# KiCad board latentpink.kicad_pcb (continued)
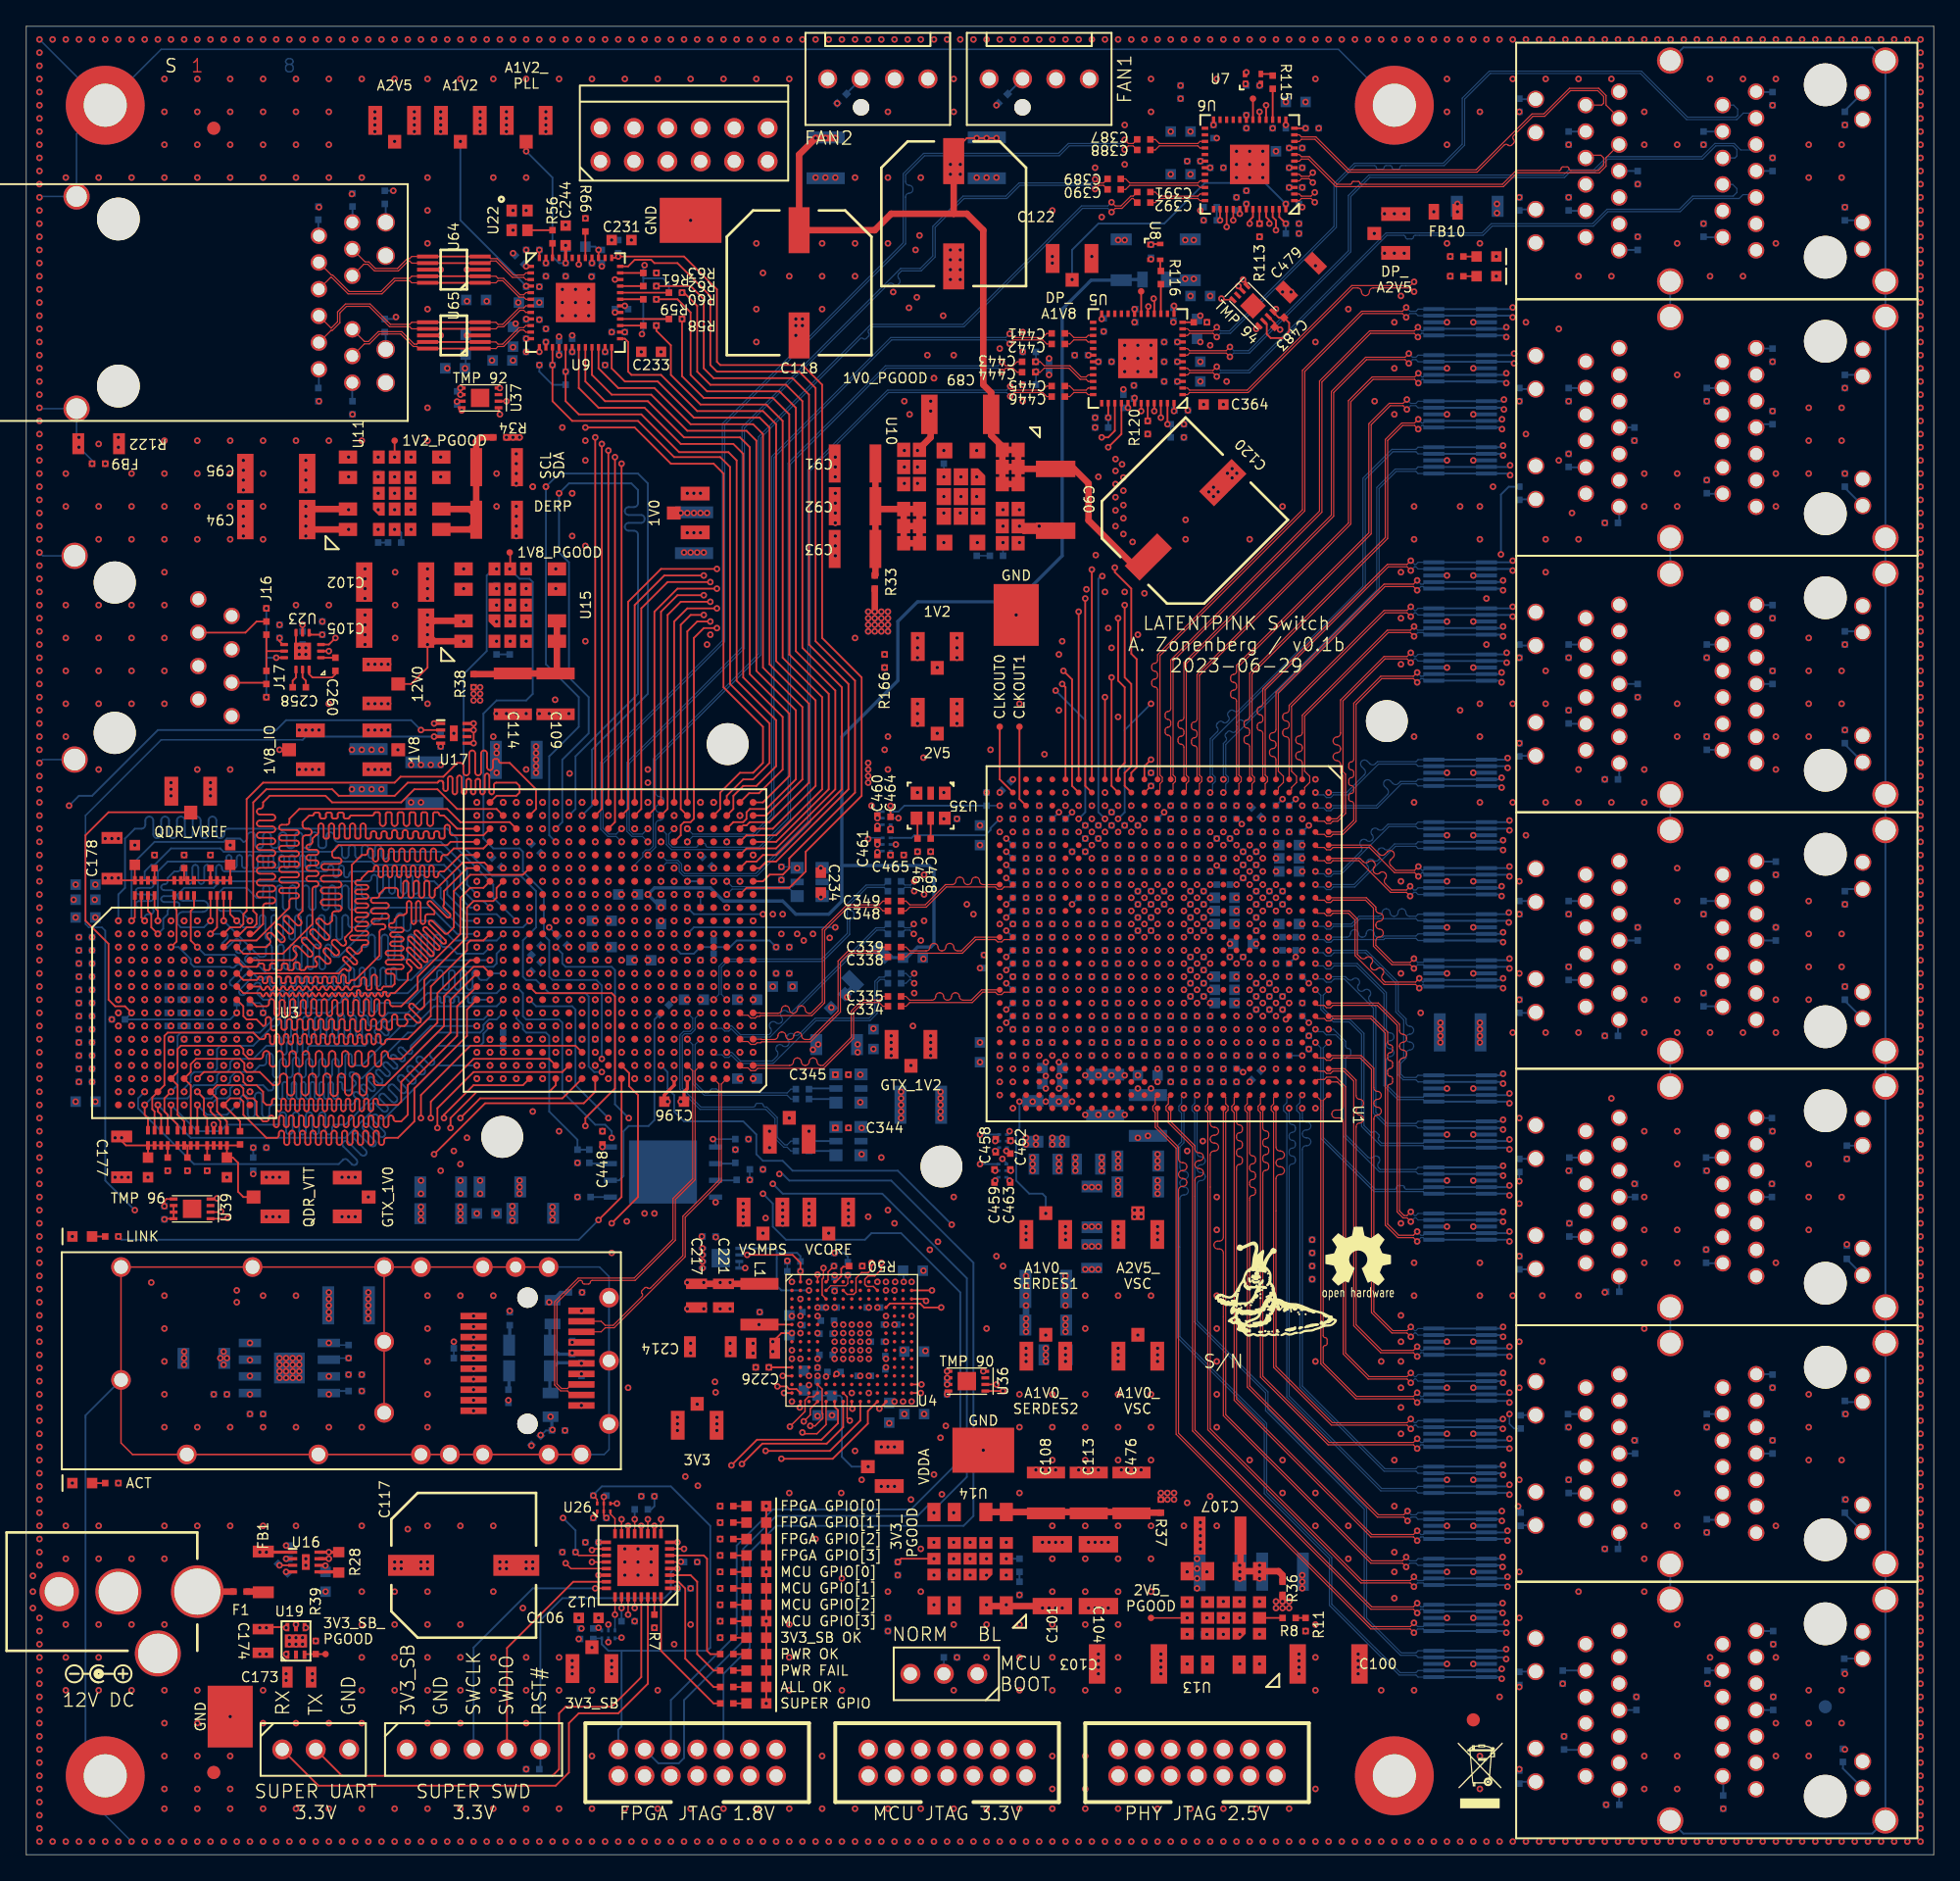
[diagram p0: board, top side]
## Routing (per net, layer and track width the routed paths; a pad name or vN(x,y) marks a point on that pad's centre or on a via; arc(x,y) is an arc through that point) (continued)
/FPGA/QDR SRAM/QDR_Q16: length 47.5
  In2.Cu w0.115: v1(15,68) 15.25,68 15.75,68.5 15.75,69.25 16.5,70 16.5,71.25 17,71.75 17,75.5 17.5,76 arc(17.59,76.04) 17.62,76.12 arc(17.66,76.21) 17.74,76.24 17.95,76.24 arc(18.04,76.21) 18.07,76.12 18.07,76 18.08,76 18.08,75.43 arc(18.14,75.27) 18.3,75.21 arc(18.46,75.27) 18.52,75.43 18.52,76.12 arc(18.56,76.21) 18.65,76.24 18.85,76.24 arc(18.94,76.21) 18.98,76.12 18.98,75.43 arc(19.04,75.27) 19.2,75.21 arc(19.36,75.27) 19.42,75.43 19.42,76.12 arc(19.46,76.21) 19.55,76.24 19.75,76.24 arc(19.84,76.21) 19.88,76.12 19.88,75.43 arc(19.94,75.27) 20.1,75.21 arc(20.26,75.27) 20.33,75.43 20.33,76.12 arc(20.36,76.21) 20.45,76.24 20.65,76.24 arc(20.74,76.21) 20.77,76.12 20.77,75.43 arc(20.84,75.27) 21,75.21 arc(21.16,75.27) 21.23,75.43 21.23,76.12 arc(21.26,76.21) 21.35,76.24 21.55,76.24 arc(21.64,76.21) 21.67,76.12 21.67,75.43 arc(21.74,75.27) 21.9,75.21 arc(22.06,75.27) 22.12,75.43 22.12,76.12 arc(22.16,76.21) 22.25,76.24 22.45,76.24 arc(22.54,76.21) 22.58,76.12 22.58,75.43 arc(22.64,75.27) 22.8,75.21 arc(22.96,75.27) 23.02,75.43 23.02,76.12 arc(23.06,76.21) 23.15,76.24 23.35,76.24 arc(23.44,76.21) 23.48,76.12 23.48,75.43 arc(23.54,75.27) 23.7,75.21 arc(23.86,75.27) 23.92,75.43 23.92,76.12 arc(23.96,76.21) 24.05,76.24 24.25,76.24 arc(24.34,76.21) 24.38,76.12 24.38,75.43 arc(24.44,75.27) 24.6,75.21 arc(24.76,75.27) 24.83,75.43 24.83,76.12 arc(24.86,76.21) 24.95,76.24 25.15,76.24 arc(25.24,76.21) 25.27,76.12 25.27,75.48 arc(25.34,75.32) 25.5,75.26 arc(25.66,75.32) 25.73,75.48 25.73,76.12 arc(25.76,76.21) 25.85,76.24 26.05,76.24 arc(26.14,76.21) 26.17,76.12 26.17,75.48 arc(26.24,75.32) 26.4,75.26 arc(26.56,75.32) 26.62,75.48 26.62,76.12 arc(26.66,76.21) 26.75,76.24 26.95,76.24 arc(27.04,76.21) 27.08,76.12 27.08,75.48 arc(27.14,75.32) 27.3,75.26 arc(27.46,75.32) 27.53,75.48 27.53,75.78 arc(27.59,75.93) 27.75,76 29.75,76 30.25,75.5 35.31,75.5 35.81,76 v1(36.25,76)
/FPGA/QDR SRAM/QDR_Q17: length 48.9
  Top w0.14: U3.B10 16.25,70 16.75,70.5 17.25,70.5 17.5,70.75 17.5,71.5 17.25,71.75 17.25,80 18.25,81 23.25,81 23.75,80.5 28,80.5 29,81.5 31.25,81.5 arc(31.3,81.52) 31.32,81.57 arc(31.34,81.62) 31.39,81.64 31.6,81.64 arc(31.65,81.62) 31.67,81.57 31.67,81.5 31.7,81.5 31.7,81.04 arc(31.75,80.91) 31.88,80.86 arc(32,80.91) 32.05,81.04 32.05,81.81 arc(32.1,81.94) 32.22,81.99 arc(32.35,81.94) 32.4,81.81 32.4,80.79 arc(32.45,80.66) 32.58,80.61 arc(32.7,80.66) 32.75,80.79 32.75,81.86 arc(32.8,81.99) 32.92,82.04 arc(33.05,81.99) 33.1,81.86 33.1,80.79 arc(33.15,80.66) 33.28,80.61 arc(33.4,80.66) 33.45,80.79 33.45,81.64 arc(33.49,81.75) 33.59,81.79 33.66,81.79 arc(33.76,81.75) 33.8,81.64 33.8,80.79 arc(33.85,80.66) 33.97,80.61 arc(34.1,80.66) 34.15,80.79 34.15,81.64 arc(34.19,81.75) 34.29,81.79 34.36,81.79 arc(34.46,81.75) 34.5,81.64 34.5,80.79 arc(34.55,80.66) 34.67,80.61 arc(34.8,80.66) 34.85,80.79 34.85,82.01 arc(34.9,82.14) 35.03,82.19 arc(35.15,82.14) 35.2,82.01 35.2,80.79 arc(35.25,80.66) 35.38,80.61 arc(35.5,80.66) 35.55,80.79 35.55,81.33 arc(35.6,81.45) 35.72,81.5 37.25,81.5 37.5,81.25 37.5,80.75 37.25,80.5 35.75,80.5 U2.AB21
/FPGA/QDR SRAM/QDR_Q18: length 46
  In2.Cu w0.115: v1(38.25,80) 38.25,81 36,83.25 12.4,83.25 arc(12.21,83.17) 12.12,82.97 12.12,82.91 arc(12.04,82.72) 11.85,82.64 arc(11.66,82.72) 11.58,82.91 11.58,83.59 arc(11.49,83.78) 11.3,83.86 arc(11.11,83.78) 11.02,83.59 11.02,83.53 arc(10.94,83.33) 10.75,83.25 10,83.25 8.75,82 8.75,74 8.5,73.75 8.5,70.5 v1(8,70)
/FPGA/QDR SRAM/QDR_Q19: length 50.6
  In2.Cu w0.115: v1(39.25,77) 38.75,76.5 34.75,76.5 arc(34.56,76.42) 34.47,76.22 34.47,76.06 arc(34.39,75.86) 34.2,75.78 arc(34.01,75.86) 33.92,76.06 33.92,76.58 arc(33.9,76.64) 33.84,76.67 33.46,76.67 arc(33.4,76.64) 33.38,76.58 33.38,76.06 arc(33.29,75.86) 33.1,75.78 arc(32.91,75.86) 32.83,76.06 32.83,76.58 arc(32.8,76.64) 32.74,76.67 32.36,76.67 arc(32.3,76.64) 32.28,76.58 32.28,76.06 arc(32.19,75.86) 32,75.78 arc(31.81,75.86) 31.72,76.06 31.72,76.58 arc(31.7,76.64) 31.64,76.67 31.26,76.67 arc(31.2,76.64) 31.17,76.58 31.17,76.06 arc(31.09,75.86) 30.9,75.78 arc(30.71,75.86) 30.62,76.06 30.62,76.22 arc(30.54,76.42) 30.35,76.5 16.75,76.5 15.5,75.25 15.5,74.7 arc(15.44,74.56) 15.3,74.5 15.2,74.5 arc(15.06,74.44) 15,74.3 arc(15.06,74.16) 15.2,74.1 16.2,74.1 arc(16.34,74.04) 16.4,73.9 arc(16.34,73.76) 16.2,73.7 15.2,73.7 arc(15.06,73.64) 15,73.5 arc(15.06,73.36) 15.2,73.3 16.2,73.3 arc(16.34,73.24) 16.4,73.1 arc(16.34,72.96) 16.2,72.9 15.2,72.9 arc(15.06,72.84) 15,72.7 arc(15.06,72.56) 15.2,72.5 16.2,72.5 arc(16.34,72.44) 16.4,72.3 arc(16.34,72.16) 16.2,72.1 15.2,72.1 arc(15.06,72.04) 15,71.9 arc(15.06,71.76) 15.2,71.7 15.3,71.7 arc(15.44,71.64) 15.5,71.5 15.5,69.75 14.25,68.5 9.5,68.5 v1(9,68)
/FPGA/QDR SRAM/QDR_Q20: length 46.2
  In2.Cu w0.115: v1(37.25,76) 36.75,75.5 36.05,75.5 35.55,75 arc(35.46,74.96) 35.42,74.88 arc(35.39,74.79) 35.3,74.75 35.1,74.75 arc(35.01,74.79) 34.97,74.88 34.97,75.12 arc(34.94,75.21) 34.85,75.25 34.65,75.25 arc(34.56,75.21) 34.53,75.12 34.53,74.88 arc(34.49,74.79) 34.4,74.75 34.2,74.75 arc(34.11,74.79) 34.08,74.88 34.08,75.12 arc(34.04,75.21) 33.95,75.25 33.75,75.25 arc(33.66,75.21) 33.62,75.12 33.62,74.88 arc(33.59,74.79) 33.5,74.75 33.3,74.75 arc(33.21,74.79) 33.17,74.88 33.17,75.12 arc(33.14,75.21) 33.05,75.25 32.85,75.25 arc(32.76,75.21) 32.72,75.12 32.72,74.88 arc(32.69,74.79) 32.6,74.75 32.4,74.75 arc(32.31,74.79) 32.28,74.88 32.28,75.12 arc(32.24,75.21) 32.15,75.25 31.95,75.25 arc(31.86,75.21) 31.83,75.12 31.83,74.88 arc(31.79,74.79) 31.7,74.75 31.5,74.75 arc(31.41,74.79) 31.38,74.88 31.38,75.12 arc(31.34,75.21) 31.25,75.25 31.05,75.25 arc(30.96,75.21) 30.92,75.12 30.92,74.88 arc(30.89,74.79) 30.8,74.75 30.6,74.75 arc(30.51,74.79) 30.47,74.88 30.47,75.12 arc(30.44,75.21) 30.35,75.25 30.15,75.25 arc(30.06,75.21) 30.03,75.12 30.03,74.88 arc(29.99,74.79) 29.9,74.75 29.7,74.75 arc(29.61,74.79) 29.58,74.88 29.58,75.42 arc(29.51,75.58) 29.35,75.65 arc(29.19,75.58) 29.12,75.42 29.12,74.88 arc(29.09,74.79) 29,74.75 28.8,74.75 arc(28.71,74.79) 28.67,74.88 28.67,75.42 arc(28.61,75.58) 28.45,75.65 arc(28.29,75.58) 28.22,75.42 28.22,75.22 arc(28.16,75.07) 28,75 25.5,75 25.25,74.75 24.55,74.75 arc(24.48,74.78) 24.45,74.85 arc(24.42,74.92) 24.35,74.95 24.1,74.95 arc(24.03,74.92) 24,74.85 24,74.65 arc(23.97,74.58) 23.9,74.55 23.65,74.55 arc(23.58,74.58) 23.55,74.65 23.55,74.85 arc(23.52,74.92) 23.45,74.95 23.2,74.95 arc(23.13,74.92) 23.1,74.85 23.1,74.65 arc(23.07,74.58) 23,74.55 22.75,74.55 arc(22.68,74.58) 22.65,74.65 22.65,74.85 arc(22.62,74.92) 22.55,74.95 22.3,74.95 arc(22.23,74.92) 22.2,74.85 22.2,74.65 arc(22.17,74.58) 22.1,74.55 21.85,74.55 arc(21.78,74.58) 21.75,74.65 21.75,74.85 arc(21.72,74.92) 21.65,74.95 21.4,74.95 arc(21.33,74.92) 21.3,74.85 21.3,74.65 arc(21.27,74.58) 21.2,74.55 20.95,74.55 arc(20.88,74.58) 20.85,74.65 20.85,74.85 arc(20.82,74.92) 20.75,74.95 20.5,74.95 arc(20.43,74.92) 20.4,74.85 20.4,74.65 arc(20.37,74.58) 20.3,74.55 20.05,74.55 arc(19.98,74.58) 19.95,74.65 19.95,74.85 arc(19.92,74.92) 19.85,74.95 19.6,74.95 arc(19.53,74.92) 19.5,74.85 19.5,74.65 arc(19.47,74.58) 19.4,74.55 19.15,74.55 arc(19.08,74.58) 19.05,74.65 19.05,74.85 arc(19.02,74.92) 18.95,74.95 18.7,74.95 arc(18.63,74.92) 18.6,74.85 arc(18.57,74.78) 18.5,74.75 18.25,74.75 17.75,74.25 17.75,70.75 16.25,69.25 16.25,68.25 15.5,67.5 9.5,67.5 v1(9,67)
/FPGA/QDR SRAM/QDR_Q21: length 54.1
  In5.Cu w0.115: v1(8,66) 8.5,65.5 18,65.5 20.5,68 20.75,68 arc(20.93,68.07) 21,68.25 arc(21.07,68.43) 21.25,68.5 21.35,68.5 arc(21.53,68.43) 21.6,68.25 21.6,68 21.6,67.75 arc(21.67,67.57) 21.85,67.5 21.95,67.5 arc(22.13,67.57) 22.2,67.75 22.2,68.25 arc(22.27,68.43) 22.45,68.5 22.55,68.5 arc(22.73,68.43) 22.8,68.25 22.8,67.75 arc(22.87,67.57) 23.05,67.5 23.15,67.5 arc(23.33,67.57) 23.4,67.75 23.4,68.25 arc(23.47,68.43) 23.65,68.5 23.75,68.5 arc(23.93,68.43) 24,68.25 24,67.75 arc(24.07,67.57) 24.25,67.5 24.35,67.5 arc(24.53,67.57) 24.6,67.75 24.6,68.25 arc(24.67,68.43) 24.85,68.5 24.95,68.5 arc(25.13,68.43) 25.2,68.25 25.2,67.75 arc(25.27,67.57) 25.45,67.5 25.55,67.5 arc(25.73,67.57) 25.8,67.75 25.8,68.25 arc(25.87,68.43) 26.05,68.5 26.15,68.5 arc(26.33,68.43) 26.4,68.25 26.4,67.75 arc(26.47,67.57) 26.65,67.5 26.75,67.5 arc(26.93,67.57) 27,67.75 27,68.25 arc(27.07,68.43) 27.25,68.5 27.35,68.5 arc(27.53,68.43) 27.6,68.25 27.6,67.75 arc(27.67,67.57) 27.85,67.5 27.95,67.5 arc(28.13,67.57) 28.2,67.75 28.2,68.25 arc(28.27,68.43) 28.45,68.5 28.55,68.5 arc(28.73,68.43) 28.8,68.25 28.8,67.75 arc(28.87,67.57) 29.05,67.5 29.15,67.5 arc(29.33,67.57) 29.4,67.75 29.4,68.25 arc(29.47,68.43) 29.65,68.5 29.75,68.5 arc(29.93,68.43) 30,68.25 30,67.75 arc(30.07,67.57) 30.25,67.5 30.35,67.5 arc(30.53,67.57) 30.6,67.75 30.6,68.25 arc(30.67,68.43) 30.85,68.5 30.95,68.5 arc(31.13,68.43) 31.2,68.25 31.2,67.75 arc(31.27,67.57) 31.45,67.5 31.55,67.5 arc(31.73,67.57) 31.8,67.75 arc(31.87,67.93) 32.05,68 32.75,68 33.5,68.75 33.5,73 34,73.5 39.5,73.5 39.75,73.75 39.75,74.25 40,74.5 40.75,74.5 v1(41.25,75)
/FPGA/QDR SRAM/QDR_Q22: length 54.3
  In2.Cu w0.115: v1(40.25,74) 39.25,73 39.25,71 38.75,70.5 33.75,70.5 33,71.25 32.75,71.25 arc(32.64,71.29) 32.6,71.4 32.6,71.44 arc(32.56,71.55) 32.45,71.59 arc(32.34,71.55) 32.3,71.44 32.3,70.86 arc(32.26,70.75) 32.15,70.71 arc(32.04,70.75) 32,70.86 32,71.44 arc(31.96,71.55) 31.85,71.59 arc(31.74,71.55) 31.7,71.44 31.7,70.86 arc(31.66,70.75) 31.55,70.71 arc(31.44,70.75) 31.4,70.86 31.4,71.44 arc(31.36,71.55) 31.25,71.59 arc(31.14,71.55) 31.1,71.44 31.1,70.86 arc(31.06,70.75) 30.95,70.71 arc(30.84,70.75) 30.8,70.86 30.8,71.44 arc(30.76,71.55) 30.65,71.59 arc(30.54,71.55) 30.5,71.44 30.5,70.86 arc(30.46,70.75) 30.35,70.71 arc(30.24,70.75) 30.2,70.86 30.2,71.44 arc(30.16,71.55) 30.05,71.59 arc(29.94,71.55) 29.9,71.44 29.9,70.86 arc(29.86,70.75) 29.75,70.71 arc(29.64,70.75) 29.6,70.86 29.6,71.44 arc(29.56,71.55) 29.45,71.59 arc(29.34,71.55) 29.3,71.44 29.3,70.86 arc(29.26,70.75) 29.15,70.71 arc(29.04,70.75) 29,70.86 29,71.44 arc(28.96,71.55) 28.85,71.59 arc(28.74,71.55) 28.7,71.44 28.7,70.86 arc(28.66,70.75) 28.55,70.71 arc(28.44,70.75) 28.4,70.86 28.4,71.44 arc(28.36,71.55) 28.25,71.59 arc(28.14,71.55) 28.1,71.44 28.1,70.86 arc(28.06,70.75) 27.95,70.71 arc(27.84,70.75) 27.8,70.86 27.8,71.44 arc(27.76,71.55) 27.65,71.59 arc(27.54,71.55) 27.5,71.44 27.5,70.86 arc(27.46,70.75) 27.35,70.71 arc(27.24,70.75) 27.2,70.86 27.2,71.44 arc(27.16,71.55) 27.05,71.59 arc(26.94,71.55) 26.9,71.44 26.9,71.4 arc(26.86,71.29) 26.75,71.25 24,71.25 23.5,71.75 22,71.75 21.5,72.25 21.25,72.25 21,72 21,69.75 20.5,69.25 20,69.25 19,68.25 19,66.5 17.5,65 16.25,65 15.75,64.5 9.5,64.5 v1(9,65)
/FPGA/QDR SRAM/QDR_Q23: length 47.5
  In5.Cu w0.115: v1(9,62) 9.5,61.5 14.25,61.5 14.5,61.25 14.5,60.7 14.7,60.5 15.2,60.5 15.6,60.1 15.6,59.8 15.8,59.6 17.85,59.6 19.25,61 19.5,61 arc(19.66,61.07) 19.73,61.22 19.73,61.57 arc(19.79,61.73) 19.95,61.79 arc(20.11,61.73) 20.17,61.57 20.17,60.73 arc(20.24,60.57) 20.4,60.51 arc(20.56,60.57) 20.62,60.73 20.62,61.77 arc(20.69,61.93) 20.85,61.99 arc(21.01,61.93) 21.08,61.77 21.08,60.73 arc(21.14,60.57) 21.3,60.51 arc(21.46,60.57) 21.52,60.73 21.52,61.77 arc(21.59,61.93) 21.75,61.99 arc(21.91,61.93) 21.98,61.77 21.98,60.73 arc(22.04,60.57) 22.2,60.51 arc(22.36,60.57) 22.42,60.73 22.42,61.77 arc(22.49,61.93) 22.65,61.99 arc(22.81,61.93) 22.88,61.77 22.88,60.73 arc(22.94,60.57) 23.1,60.51 arc(23.26,60.57) 23.33,60.73 23.33,61.77 arc(23.39,61.93) 23.55,61.99 arc(23.71,61.93) 23.77,61.77 23.77,60.73 arc(23.84,60.57) 24,60.51 arc(24.16,60.57) 24.23,60.73 24.23,61.77 arc(24.29,61.93) 24.45,61.99 arc(24.61,61.93) 24.67,61.77 24.67,60.73 arc(24.74,60.57) 24.9,60.51 arc(25.06,60.57) 25.12,60.73 25.12,60.78 arc(25.19,60.93) 25.35,61 26.25,61 26.75,61.5 31.5,61.5 33.5,63.5 37.75,63.5 v1(38.25,63)
/FPGA/QDR SRAM/QDR_Q24: length 42.9
  Top w0.14: v1(31.75,56) 31.75,56.25 34,58.5 37.75,58.5 U2.A18
  In2.Cu w0.115: v1(8,61) 8.5,60.5 9.06,60.5 9.6,59.96 9.6,59.84 10.04,59.4 10.35,59.4 10.5,59.25 10.5,55.25 12.25,53.5 12.5,53.5 arc(12.64,53.56) 12.7,53.7 12.7,53.74 arc(12.76,53.88) 12.9,53.94 arc(13.04,53.88) 13.1,53.74 13.1,53.38 arc(13.13,53.3) 13.22,53.26 13.38,53.26 arc(13.47,53.3) 13.5,53.38 13.5,53.74 arc(13.56,53.88) 13.7,53.94 arc(13.84,53.88) 13.9,53.74 13.9,53.38 arc(13.93,53.3) 14.02,53.26 14.18,53.26 arc(14.27,53.3) 14.3,53.38 14.3,53.74 arc(14.36,53.88) 14.5,53.94 arc(14.64,53.88) 14.7,53.74 14.7,53.38 arc(14.73,53.3) 14.82,53.26 14.98,53.26 arc(15.07,53.3) 15.1,53.38 15.1,53.74 arc(15.16,53.88) 15.3,53.94 arc(15.44,53.88) 15.5,53.74 15.5,53.7 arc(15.56,53.56) 15.7,53.5 16.75,53.5 17,53.25 18.75,53.25 19,53.5 29.75,53.5 30.75,54.5 31.5,54.5 31.75,54.75 v1(31.75,56)
/FPGA/QDR SRAM/QDR_Q25: length 44
  In5.Cu w0.115: v1(9,59) 9.5,58.5 11.25,58.5 11.5,58.25 11.5,56.94 11.94,56.5 18.75,56.5 arc(18.94,56.58) 19.02,56.78 19.02,56.88 arc(19.11,57.07) 19.3,57.15 arc(19.49,57.07) 19.58,56.88 19.58,56.25 arc(19.65,56.07) 19.83,56 19.88,56 arc(20.05,56.07) 20.12,56.25 20.12,56.88 arc(20.21,57.07) 20.4,57.15 arc(20.59,57.07) 20.67,56.88 20.67,56.25 arc(20.75,56.07) 20.92,56 20.98,56 arc(21.15,56.07) 21.23,56.25 21.23,56.88 arc(21.31,57.07) 21.5,57.15 arc(21.69,57.07) 21.77,56.88 21.77,56.25 arc(21.85,56.07) 22.02,56 22.08,56 arc(22.25,56.07) 22.33,56.25 22.33,56.88 arc(22.41,57.07) 22.6,57.15 arc(22.79,57.07) 22.88,56.88 22.88,56.25 arc(22.95,56.07) 23.12,56 23.17,56 arc(23.35,56.07) 23.42,56.25 23.42,56.88 arc(23.51,57.07) 23.7,57.15 arc(23.89,57.07) 23.98,56.88 23.98,56.25 arc(24.05,56.07) 24.23,56 24.27,56 arc(24.45,56.07) 24.52,56.25 24.52,56.88 arc(24.61,57.07) 24.8,57.15 arc(24.99,57.07) 25.08,56.88 25.08,56.78 arc(25.16,56.58) 25.35,56.5 25.75,56.5 28.75,59.5 32.75,59.5 33.75,60.5 38.75,60.5 v1(39.25,60)
/FPGA/QDR SRAM/QDR_Q26: length 44.4
  Bottom w0.14: v1(34.25,60) 31.25,60 27.25,56 arc(27.07,55.93) 26.9,56 26.68,56.21 arc(26.51,56.29) 26.33,56.21 arc(26.26,56.04) 26.33,55.86 27.21,54.97 arc(27.29,54.8) 27.21,54.62 arc(27.04,54.55) 26.86,54.62 25.98,55.51 arc(25.8,55.58) 25.62,55.51 arc(25.55,55.33) 25.62,55.15 26.51,54.27 arc(26.58,54.09) 26.51,53.91 arc(26.33,53.84) 26.15,53.91 25.27,54.8 arc(25.09,54.87) 24.92,54.8 arc(24.84,54.62) 24.92,54.44 25.8,53.56 arc(25.87,53.38) 25.8,53.21 arc(25.62,53.13) 25.45,53.21 24.46,54.2 arc(24.28,54.27) 24.1,54.2 arc(24.03,54.02) 24.1,53.84 25.09,52.85 arc(25.17,52.68) 25.09,52.5 arc(24.92,52.43) 24.74,52.5 24.42,52.82 arc(24.24,52.89) 24.07,52.82 23.75,52.5 12.75,52.5 8.5,56.75 8.5,57.5 v1(9,58)
/FPGA/QDR SRAM/QDR_Q27: length 43.9
  In5.Cu w0.115: v1(7,70) 7,70.25 7.5,70.75 7.5,71.25 7.75,71.5 18,71.5 22.5,76 31,76 31.23,76.23 arc(31.31,76.41) 31.23,76.59 30.96,76.86 arc(30.88,77.04) 30.96,77.22 arc(31.13,77.29) 31.31,77.22 31.97,76.56 arc(32.14,76.48) 32.32,76.56 arc(32.39,76.73) 32.32,76.91 31.66,77.57 arc(31.59,77.75) 31.66,77.92 arc(31.84,78) 32.02,77.92 32.67,77.26 arc(32.85,77.19) 33.03,77.26 arc(33.1,77.44) 33.03,77.62 33,77.65 arc(32.93,77.82) 33,78 33.25,78.25 33.25,79 33.75,79.5 40.75,79.5 v1(41.25,80)
/FPGA/QDR SRAM/QDR_Q28: length 48.4
  In5.Cu w0.115: v1(8,69) 8.5,69.5 18,69.5 21.5,73 22,73 arc(22.18,73.07) 22.25,73.25 arc(22.32,73.43) 22.5,73.5 22.6,73.5 arc(22.78,73.43) 22.85,73.25 22.85,72.75 arc(22.92,72.57) 23.1,72.5 23.2,72.5 arc(23.38,72.57) 23.45,72.75 23.45,73.25 arc(23.52,73.43) 23.7,73.5 23.8,73.5 arc(23.98,73.43) 24.05,73.25 24.05,72.75 arc(24.12,72.57) 24.3,72.5 24.4,72.5 arc(24.58,72.57) 24.65,72.75 24.65,73.25 arc(24.72,73.43) 24.9,73.5 25,73.5 arc(25.18,73.43) 25.25,73.25 25.25,72.75 arc(25.32,72.57) 25.5,72.5 25.6,72.5 arc(25.78,72.57) 25.85,72.75 25.85,73.25 arc(25.92,73.43) 26.1,73.5 26.2,73.5 arc(26.38,73.43) 26.45,73.25 26.45,72.75 arc(26.52,72.57) 26.7,72.5 26.8,72.5 arc(26.98,72.57) 27.05,72.75 27.05,73.25 arc(27.12,73.43) 27.3,73.5 27.4,73.5 arc(27.58,73.43) 27.65,73.25 27.65,72.75 arc(27.72,72.57) 27.9,72.5 28,72.5 arc(28.18,72.57) 28.25,72.75 28.25,73.25 arc(28.32,73.43) 28.5,73.5 28.6,73.5 arc(28.78,73.43) 28.85,73.25 28.85,72.75 arc(28.92,72.57) 29.1,72.5 29.2,72.5 arc(29.38,72.57) 29.45,72.75 29.45,73.25 arc(29.52,73.43) 29.7,73.5 29.8,73.5 arc(29.98,73.43) 30.05,73.25 arc(30.12,73.07) 30.3,73 31,73 31.25,73.25 31.25,74 34.75,77.5 41.75,77.5 v1(42.25,78)
/FPGA/QDR SRAM/QDR_Q29: length 45.7
  In5.Cu w0.115: v1(40.25,79) 39.75,78.5 34.75,78.5 30.5,74.25 25,74.25 arc(24.82,74.32) 24.75,74.5 24.75,74.87 arc(24.68,75.04) 24.5,75.12 arc(24.32,75.04) 24.25,74.87 24.25,74.04 arc(24.19,73.89) 24.04,73.83 23.96,73.83 arc(23.81,73.89) 23.75,74.04 23.75,74.87 arc(23.68,75.04) 23.5,75.12 arc(23.32,75.04) 23.25,74.87 23.25,73.98 arc(23.18,73.81) 23,73.73 arc(22.82,73.81) 22.75,73.98 22.75,74.87 arc(22.68,75.04) 22.5,75.12 arc(22.32,75.04) 22.25,74.87 22.25,74.5 arc(22.18,74.32) 22,74.25 21.75,74.25 18,70.5 7.75,70.5 7.5,70.25 7.5,67.5 v1(7,67)
/FPGA/QDR SRAM/QDR_Q30: length 50.8
  In5.Cu w0.115: v1(40.25,75) 40,75 39.5,74.5 34,74.5 33,73.5 33,70.25 32,69.25 30.8,69.25 arc(30.6,69.33) 30.53,69.52 arc(30.45,69.71) 30.25,69.79 30.2,69.79 arc(30,69.71) 29.92,69.52 29.92,69 arc(29.85,68.83) 29.68,68.76 29.57,68.76 arc(29.4,68.83) 29.33,69 29.33,69.52 arc(29.25,69.71) 29.05,69.79 29,69.79 arc(28.8,69.71) 28.72,69.52 28.72,69 arc(28.65,68.83) 28.48,68.76 28.37,68.76 arc(28.2,68.83) 28.12,69 28.12,69.52 arc(28.05,69.71) 27.85,69.79 27.8,69.79 arc(27.6,69.71) 27.53,69.52 27.53,69 arc(27.45,68.83) 27.28,68.76 27.17,68.76 arc(27,68.83) 26.92,69 26.92,69.52 arc(26.85,69.71) 26.65,69.79 26.6,69.79 arc(26.4,69.71) 26.33,69.52 26.33,69 arc(26.25,68.83) 26.08,68.76 25.97,68.76 arc(25.8,68.83) 25.73,69 25.73,69.52 arc(25.65,69.71) 25.45,69.79 25.4,69.79 arc(25.2,69.71) 25.12,69.52 25.12,69 arc(25.05,68.83) 24.88,68.76 24.77,68.76 arc(24.6,68.83) 24.52,69 24.52,69.52 arc(24.45,69.71) 24.25,69.79 24.2,69.79 arc(24,69.71) 23.92,69.52 23.92,69 arc(23.85,68.83) 23.68,68.76 23.57,68.76 arc(23.4,68.83) 23.33,69 23.33,69.52 arc(23.25,69.71) 23.05,69.79 23,69.79 arc(22.8,69.71) 22.73,69.52 22.73,69 arc(22.65,68.83) 22.48,68.76 22.37,68.76 arc(22.2,68.83) 22.12,69 22.12,69.25 22.12,69.25 22.12,69.52 arc(22.04,69.71) 21.85,69.79 21.79,69.79 arc(21.6,69.71) 21.52,69.52 arc(21.44,69.33) 21.25,69.25 20.75,69.25 18,66.5 7.5,66.5 v1(7,66)
/FPGA/QDR SRAM/QDR_Q31: length 47.8
  Top w0.14: U2.C14 41.75,61.5 33.75,61.5 30,57.75 v1(30,56)
  In2.Cu w0.115: v1(8,63) 8.5,63.5 12.25,63.5 12.6,63.15 12.6,62.65 12.85,62.4 13.35,62.4 13.6,62.15 13.6,61.65 13.85,61.4 14.35,61.4 14.5,61.25 14.5,56.5 15.5,55.5 15.75,55.5 arc(15.94,55.58) 16.02,55.78 16.02,55.82 arc(16.11,56.01) 16.3,56.09 arc(16.49,56.01) 16.58,55.82 16.58,55.38 arc(16.61,55.29) 16.7,55.26 17,55.26 arc(17.09,55.29) 17.12,55.38 17.12,55.82 arc(17.21,56.01) 17.4,56.09 arc(17.59,56.01) 17.67,55.82 17.67,55.38 arc(17.71,55.29) 17.8,55.26 18.1,55.26 arc(18.19,55.29) 18.23,55.38 arc(18.26,55.46) 18.35,55.5 19.25,55.5 19.75,55 29,55 v1(30,56)
/FPGA/QDR SRAM/QDR_Q32: length 44.6
  Top w0.14: v1(32.25,55.25) 32.25,56 34.25,58 39.75,58 40.25,58.5 U2.A16
  In5.Cu w0.115: v1(32.25,55.25) 30,53 9.5,53 6.25,56.25 6.25,61.25 v1(7,62)
/FPGA/QDR SRAM/QDR_Q33: length 45.2
  Top w0.14: U2.A13 43.25,58 42.38,57.12 34.88,57.12 v1(31,53.25)
  In2.Cu w0.115: v1(31,53.25) 30.25,52.5 11.75,52.5 7.5,56.75 7.5,60.5 v1(7,61)
/FPGA/QDR SRAM/QDR_Q34: length 41.8
  Top w0.14: v1(33,56) 34.5,57.5 40.75,57.5 U2.A14
  In2.Cu w0.115: v1(8,60) 8.5,59.5 8.5,56.5 12,53 30,53 31,54 31.75,54 33,55.25 v1(33,56)
/FPGA/QDR SRAM/QDR_Q35: length 44.8
  In5.Cu w0.115: v1(43.25,60) 42.75,59.5 41,59.5 40.75,59.25 40.75,59 39.25,57.5 30,57.5 26.75,54.25 16.75,54.25 16.5,54 15.2,54 arc(15.11,54.04) 15.08,54.12 arc(15.04,54.21) 14.95,54.25 14.65,54.25 arc(14.56,54.21) 14.52,54.12 14.52,53.85 arc(14.48,53.74) 14.38,53.7 14.12,53.7 arc(14.02,53.74) 13.98,53.85 13.98,54.12 arc(13.94,54.21) 13.85,54.25 13.55,54.25 arc(13.46,54.21) 13.42,54.12 13.42,53.88 arc(13.39,53.79) 13.3,53.75 13,53.75 arc(12.91,53.79) 12.88,53.88 12.88,54.12 arc(12.84,54.21) 12.75,54.25 12.45,54.25 arc(12.36,54.21) 12.33,54.12 12.33,53.88 arc(12.29,53.79) 12.2,53.75 11.9,53.75 arc(11.81,53.79) 11.77,53.88 11.77,54.12 arc(11.74,54.21) 11.65,54.25 11.35,54.25 arc(11.26,54.21) 11.23,54.12 11.23,53.88 arc(11.19,53.79) 11.1,53.75 10.8,53.75 arc(10.71,53.79) 10.67,53.88 10.67,54.12 arc(10.64,54.21) 10.55,54.25 10.25,54.25 arc(10.16,54.21) 10.12,54.12 arc(10.09,54.04) 10,54 9.75,54 7,56.75 v1(7,58)
/FPGA/QDR SRAM/QDR_QVLD: length 51
  Bottom w0.14: v1(36.25,66) 35.75,65.5 30.5,65.5 29,64 27.5,64 26.5,63 26.2,63 arc(26.04,63.07) 25.98,63.22 25.98,63.59 arc(25.91,63.75) 25.75,63.82 arc(25.59,63.75) 25.52,63.59 25.52,62.31 arc(25.46,62.15) 25.3,62.08 arc(25.14,62.15) 25.08,62.31 25.08,63.59 arc(25.01,63.75) 24.85,63.82 arc(24.69,63.75) 24.62,63.59 24.62,62.31 arc(24.56,62.15) 24.4,62.08 arc(24.24,62.15) 24.17,62.31 24.17,63.69 arc(24.11,63.85) 23.95,63.92 arc(23.79,63.85) 23.73,63.69 23.73,62.31 arc(23.66,62.15) 23.5,62.08 arc(23.34,62.15) 23.27,62.31 23.27,63.49 arc(23.21,63.65) 23.05,63.72 arc(22.89,63.65) 22.83,63.49 22.83,62.31 arc(22.76,62.15) 22.6,62.08 arc(22.44,62.15) 22.38,62.31 22.38,63.49 arc(22.31,63.65) 22.15,63.72 arc(21.99,63.65) 21.92,63.49 21.92,62.31 arc(21.86,62.15) 21.7,62.08 arc(21.54,62.15) 21.48,62.31 21.48,63.49 arc(21.41,63.65) 21.25,63.72 arc(21.09,63.65) 21.02,63.49 21.02,62.31 arc(20.96,62.15) 20.8,62.08 arc(20.64,62.15) 20.58,62.31 20.58,63.49 arc(20.51,63.65) 20.35,63.72 arc(20.19,63.65) 20.12,63.49 20.12,62.31 arc(20.06,62.15) 19.9,62.08 arc(19.74,62.15) 19.67,62.31 19.67,63.49 arc(19.61,63.65) 19.45,63.72 arc(19.29,63.65) 19.23,63.49 19.23,63.22 arc(19.16,63.07) 19,63 18.75,63 17.25,61.5 14.75,61.5 14.5,61.25 14.5,59.75 14.25,59.5 12.75,59.5 12.5,59.25 12.5,58.75 12,58.25 v1(12,58)
/FPGA/QDR SRAM/QDR_RPS_N: length 46.4
  Top w0.14: v1(14,71) RN1.5
  Bottom w0.14: v1(14,71) 13.5,70.5 11.75,70.5 11.5,70.75 11.5,71.25 arc(11.62,71.55) 11.92,71.67 13.41,71.67 arc(13.71,71.8) 13.83,72.1 arc(13.71,72.4) 13.41,72.53 11.92,72.53 arc(11.62,72.65) 11.5,72.95 11.5,73 12,73.5 14.25,73.5 14.75,74 26,74 arc(26.16,74.07) 26.23,74.22 26.23,74.27 arc(26.29,74.43) 26.45,74.5 arc(26.61,74.43) 26.67,74.27 26.67,73.28 arc(26.74,73.12) 26.9,73.05 arc(27.06,73.12) 27.12,73.28 27.12,74.27 arc(27.19,74.43) 27.35,74.5 arc(27.51,74.43) 27.58,74.27 27.58,73.28 arc(27.64,73.12) 27.8,73.05 arc(27.96,73.12) 28.03,73.28 28.03,74.27 arc(28.09,74.43) 28.25,74.5 arc(28.41,74.43) 28.47,74.27 28.47,73.28 arc(28.54,73.12) 28.7,73.05 arc(28.86,73.12) 28.92,73.28 28.92,74.27 arc(28.99,74.43) 29.15,74.5 arc(29.31,74.43) 29.38,74.27 29.38,73.28 arc(29.44,73.12) 29.6,73.05 arc(29.76,73.12) 29.83,73.28 29.83,74.27 arc(29.89,74.43) 30.05,74.5 arc(30.21,74.43) 30.28,74.27 30.28,74.22 arc(30.34,74.07) 30.5,74 31,74 31.5,73.5 31.5,72.75 33.25,71 v1(34.25,71)
/FPGA/QDR SRAM/QDR_WPS_N: length 47.1
  Top w0.14: RN2.8 9.75,72 10,71.75 v1(10,71)
  Bottom w0.14: v1(34.25,72) 33.75,72 32.5,73.25 32.5,74.5 31.75,75.25 26.5,75.25 26.25,75.5 22.6,75.5 arc(22.46,75.44) 22.4,75.3 22.4,75.2 arc(22.34,75.06) 22.2,75 arc(22.06,75.06) 22,75.2 22,75.8 arc(21.94,75.94) 21.8,76 arc(21.66,75.94) 21.6,75.8 21.6,75.2 arc(21.54,75.06) 21.4,75 arc(21.26,75.06) 21.2,75.2 21.2,75.8 arc(21.14,75.94) 21,76 arc(20.86,75.94) 20.8,75.8 20.8,75.2 arc(20.74,75.06) 20.6,75 arc(20.46,75.06) 20.4,75.2 20.4,75.8 arc(20.34,75.94) 20.2,76 arc(20.06,75.94) 20,75.8 20,75.2 arc(19.94,75.06) 19.8,75 arc(19.66,75.06) 19.6,75.2 19.6,75.8 arc(19.54,75.94) 19.4,76 arc(19.26,75.94) 19.2,75.8 19.2,75.2 arc(19.14,75.06) 19,75 arc(18.86,75.06) 18.8,75.2 18.8,75.8 arc(18.74,75.94) 18.6,76 arc(18.46,75.94) 18.4,75.8 18.4,75.2 arc(18.34,75.06) 18.2,75 arc(18.06,75.06) 18,75.2 18,75.8 arc(17.94,75.94) 17.8,76 arc(17.66,75.94) 17.6,75.8 17.6,75.2 arc(17.54,75.06) 17.4,75 arc(17.26,75.06) 17.2,75.2 17.2,75.8 arc(17.14,75.94) 17,76 arc(16.86,75.94) 16.8,75.8 16.8,75.2 arc(16.74,75.06) 16.6,75 arc(16.46,75.06) 16.4,75.2 16.4,75.8 arc(16.34,75.94) 16.2,76 arc(16.06,75.94) 16,75.8 16,75.2 arc(15.94,75.06) 15.8,75 arc(15.66,75.06) 15.6,75.2 15.6,75.8 arc(15.54,75.94) 15.4,76 arc(15.26,75.94) 15.2,75.8 15.2,75.7 arc(15.14,75.56) 15,75.5 10.75,75.5 10,74.75 v1(10,71)
/Management/ETH12_LED0_3V3: length 141.2
  In2.Cu w0.115: v1(58.6,70) 59.4,70.8 59.4,111.1 66.7,118.4 v1(67.7,118.4)
  In5.Cu w0.115: v1(138.25,125.25) 134.75,125.25 134.5,125 131,125 130,126 128.25,126 127.25,125 120.5,125 119.5,124 117.75,124 117.25,123.5 104,123.5 100.7,120.2 94.2,120.2 93.2,121.2 86.9,121.2 86.22,120.53 81.78,120.53 79.65,118.4 v1(67.7,118.4) ; v1(48.25,66) 48.75,66.5 57.25,66.5 57.6,66.85 57.6,69.2 58.4,70 v1(58.6,70)
/Management/ETH12_LED1_3V3: length 145.2
  In2.Cu w0.115: v1(57.4,70) 59,71.6 59,111.9 v1(65.9,118.8)
  In5.Cu w0.115: v1(65.9,118.8) 76.55,118.8 78.62,120.88 85.88,120.88 86.6,121.6 93.4,121.6 93.7,121.3 101.3,121.3 103.75,123.75 115.75,123.75 118,126 119.5,126 120.5,127 121.5,127 122.5,128 129.75,128 130,128.25 130,129.75 131.25,131 132.5,131 133,131.5 v1(138.25,131.5) ; v1(46.25,65) 46.75,65.5 46.75,66.25 47,66.5 47.5,66.5 47.75,66.75 47.75,67.25 48,67.5 49.31,67.5 49.75,67.94 49.75,68.25 50,68.5 55.8,68.5 57.3,70 v1(57.4,70)